# Altium PCB Fri3D_2020_01.PcbDoc (part 3 of 3)
Units mm, origin at the board's own origin, x right, y up, seen from the top; angles counter-clockwise.
Board outline 110 x 100 mm, 2 copper layers (Top Layer, Bottom Layer), stack 1.571 mm thick; 144 components, 114 nets, 669 pads, 306 vias.
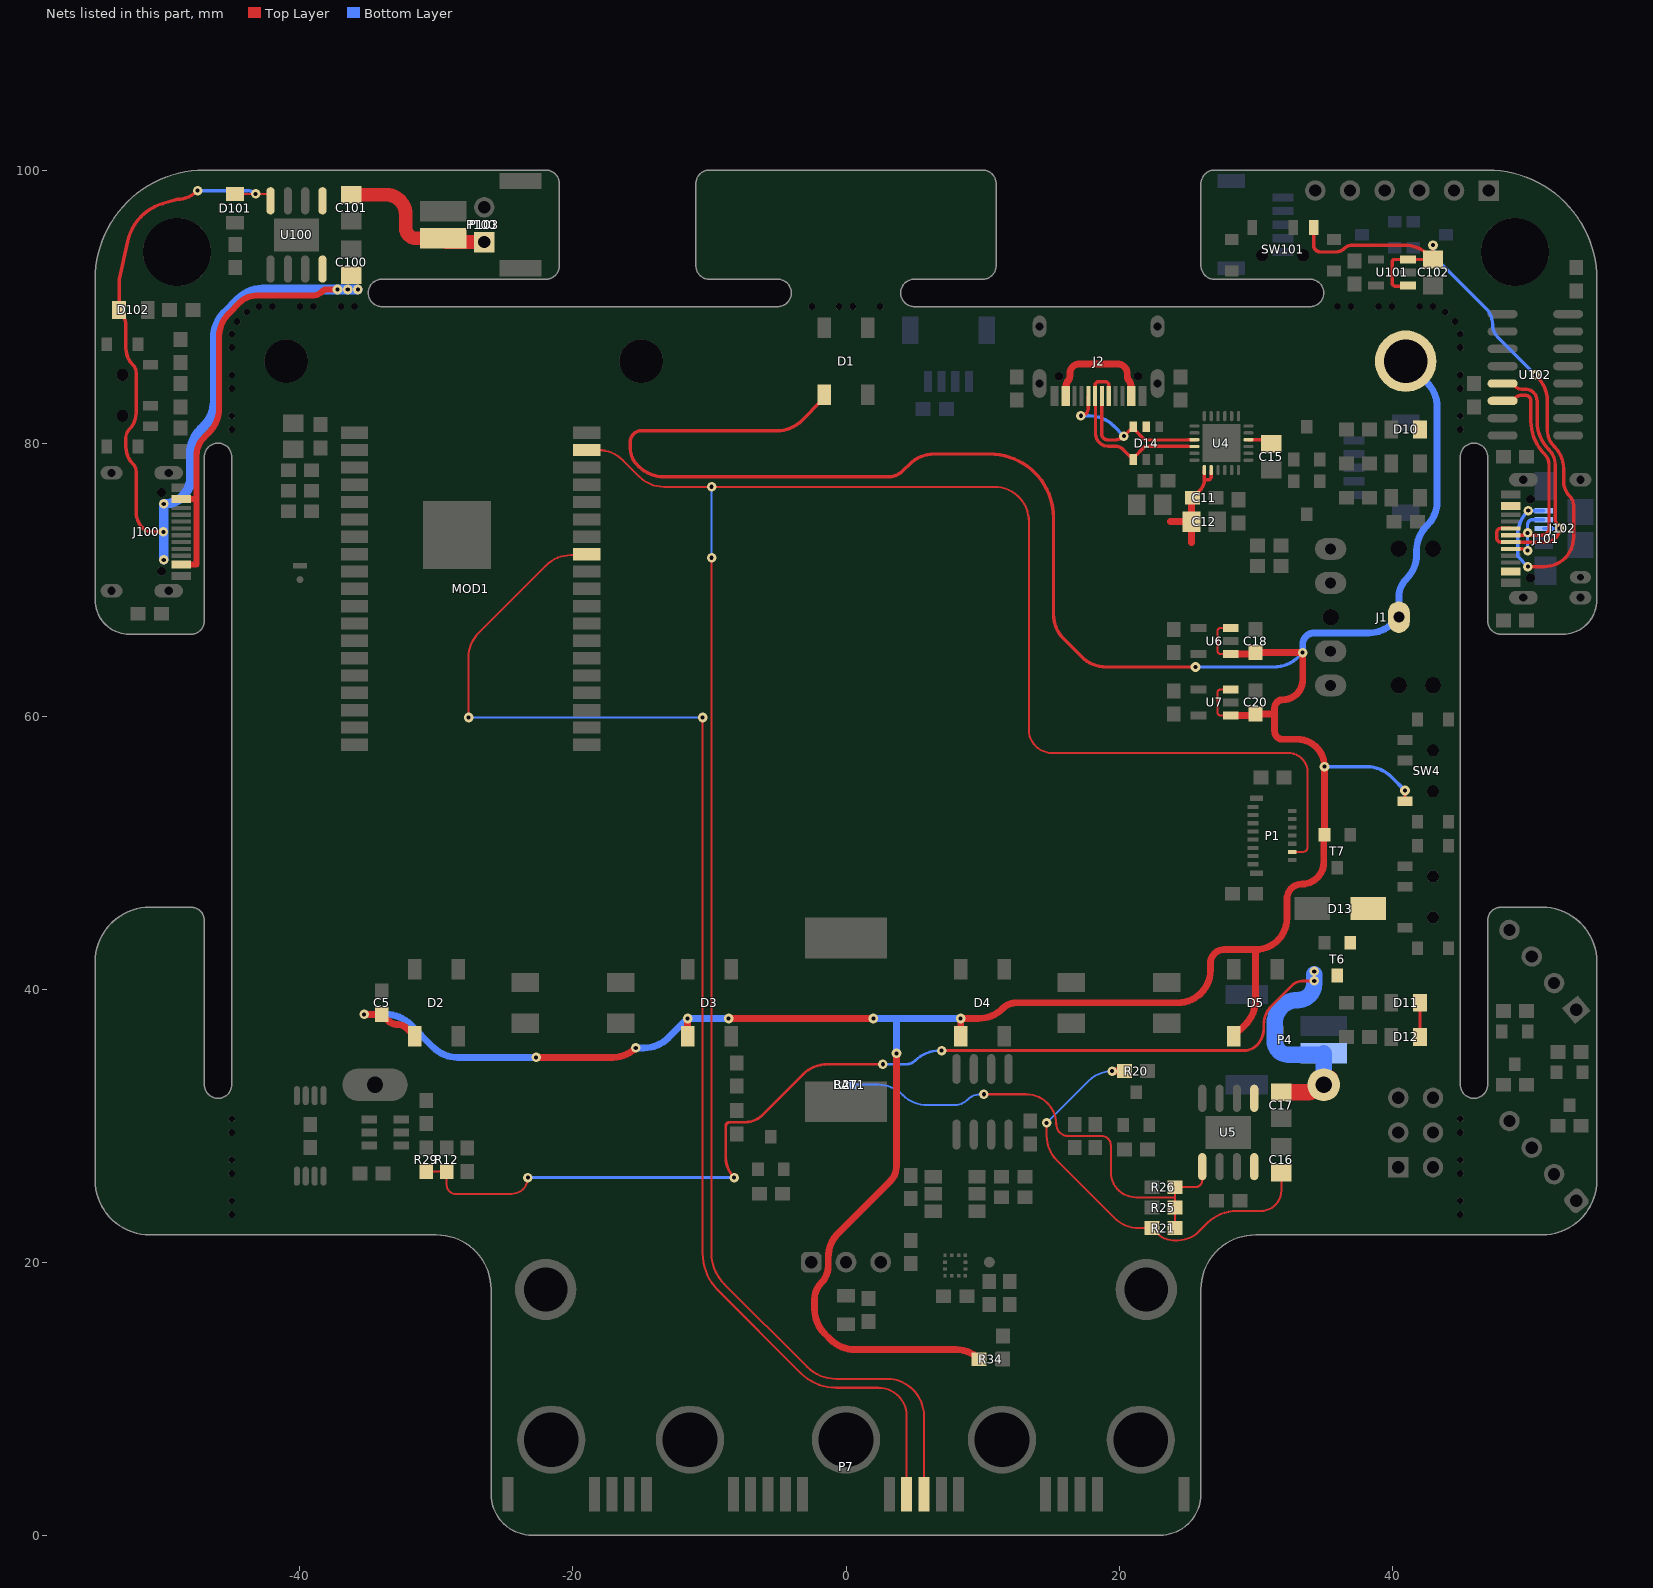
[diagram p3: the nets of this part, all layers, seen from the top]

## Via types
v1: diameter 0.7, hole 0.3, Top Layer to Bottom Layer, tented top, 306 vias

## Nets (pads, with @x,y where several pads share a name; then routed paths per layer and width w, separated by ;. In a path a pad name is that pad's centre, name@x,y a point inside that pad or via, vN(x,y) a via of type N, cw(c..) or ccw(c..) an arc to the next point about the centre after c; other vN are vias at no path point) (continued)
SPI.DI: MOD1.31 P7.15 | length 99.5
  Top Layer w0.15: v1(-27.65,59.9) -27.65,64.298 cw(c-25.11,64.298) -26.906,66.094 -21.951,71.049 cw(c-20.155,69.253) -20.155,71.793 -19.181,71.793 ccw(c-19.181,72.049) MOD1.31@-19,71.868 ; v1(-10.5,59.9) -10.5,20.652 ccw(c-6.66,20.652) -9.375,17.937 -3.307,11.868 -3.305,11.867 ccw(c-0.73,14.443) -0.73,10.8 2.373,10.8 cw(c2.373,8.728) 4.445,8.728 P7.15@4.445,3
  Bottom Layer w0.15: v1@-27.658,59.9 v1(-10.5,59.9)
SPI.DO: MOD1.37 P1.12 P7.16 | length 162.3
  Top Layer w0.15: MOD1.37@-19,79.488 -18.14,79.488 cw(c-18.14,76.948) -16.344,78.744 -15.144,77.544 ccw(c-13.348,79.34) -13.348,76.8 v1(-9.85,76.8) 10.86,76.8 cw(c10.86,74.26) 13.4,74.26 13.4,59 ccw(c15.1,59) 15.1,57.3 32.4,57.3 cw(c32.4,55.882) 33.818,55.882 33.818,50.4 cw(c33.468,50.4) 33.468,50.05 P1.12@32.688,50.05 ; v1(-9.85,71.6) -9.85,60.6 -9.85,20.652 ccw(c-6.66,20.652) -8.916,18.396 -2.847,12.328 -2.846,12.327 ccw(c-0.73,14.443) -0.73,11.45 2.993,11.45 cw(c2.993,8.728) 5.715,8.728 P7.16@5.715,3
  Bottom Layer w0.15: v1(-9.85,71.6) v1(-9.85,76.8)
TEMP: R21.2 R25.1 R26.1 R27.1 U5.1 | length 35.6
  Top Layer w0.15: v1(10.1,32.3) 13.2,32.3 cw(c13.2,30.1) 15.4,30.1 ccw(c16.25,30.1) 16.25,29.25 18.7,29.25 cw(c18.7,28.55) 19.4,28.55 19.4,26.6 ccw(c21.25,26.6) 21.25,24.75 24.1,24.75 ; R21.2@24.1,22.5 R25.1@24.1,24 24.1,24.75 ; U5.1@26.095,27 26.095,25.995 cw(c25.6,25.995) 25.6,25.5 R26.1@24.1,25.5 24.1,24.75
  Bottom Layer w0.15: R27.1@0.5,33 2.348,33 cw(c2.348,30.46) 4.144,32.256 4.156,32.244 ccw(c5.952,34.04) 5.952,31.5 7.934,31.5 ccw(c7.934,32.866) 8.9,31.9 cw(c9.866,30.934) 9.866,32.3 v1(10.1,32.3)
USB3.D_n: J101.A7 J101.B7 J102.2 U102.6 | length 19.9
  Top Layer w0.25: U102.6@48.1,83.095 48.522,83.095 ccw(c48.522,83.795) 49.016,83.3 cw(c49.511,82.805) 49.511,83.505 49.75,83.505 cw(c49.75,83.08) 50.175,83.08 50.175,81.611 ccw(c53.609,81.611) 51.181,79.183 51.182,79.182 cw(c50.414,78.414) 51.5,78.414 51.5,73.75 cw(c51,73.75) 51,73.25 50.347,73.25 cw(c50.347,73.847) v1(49.925,73.425) cw(c49.503,73.847) 49.503,73.25 J101.A7@48.702,73.25 ; J101.B7@48.702,72.25 49.501,72.25 cw(c49.501,71.823) 49.645,72.225 cw(c49.501,71.823) 49.803,72.125 v1(49.925,72.125)
  Bottom Layer w0.25: v1(49.925,72.125) v1(49.925,73.425) 49.925,74.025 cw(c50.295,74.025) 50.295,74.395 J102.2@51.122,74.395
USB3.D_p: J101.A6 J101.B6 J102.3 U102.5 | length 21
  Top Layer w0.25: U102.5@48.1,84.365 48.522,84.365 cw(c48.522,83.665) 49.016,84.16 ccw(c49.511,84.655) 49.511,83.955 49.75,83.955 cw(c49.75,83.08) 50.625,83.08 50.625,81.612 ccw(c53.612,81.612) 51.5,79.5 51.502,79.498 cw(c50.421,78.417) 51.95,78.417 51.95,74.535 ccw(c53.06,74.535) v1(52.275,73.75) cw(c51.275,73.75) 51.275,72.75 J101.A6@48.702,72.75 47.955,72.75 cw(c47.955,73.025) 47.68,73.025 47.68,73.475 cw(c47.955,73.475) 47.955,73.75 J101.B6@48.702,73.75
  Bottom Layer w0.25: J102.3@51.122,73.745 52.275,73.745 v1(52.275,73.75)
USB.D_n: D14.1 J2.A7 J2.B7 U4.4 | length 14.3
  Top Layer w0.25: J2.B7@19.25,83.453 19.25,84.25 ccw(c19,84.25) 19,84.5 18.5,84.5 ccw(c18.5,84.25) 18.25,84.25 J2.A7@18.25,83.453 18.275,83.453 18.275,80.7 ccw(c19.2,80.7) 19.2,79.775 19.674,79.775 cw(c19.674,78.806) 20.359,79.491 D14.1@21.05,78.8 cw(c21.352,78.8) 21.138,79.013 21.829,79.704 cw(c22,79.534) 22,79.775 25.025,79.775 cw(c25.025,79.732) 25.055,79.763 ccw(c25.086,79.793) 25.086,79.75 U4.4@25.525,79.75
USB.D_p: D14.6 J2.A6 J2.B6 U4.3 | length 16.1
  Top Layer w0.25: v1(17.2,82) ccw(c17.2,82.55) 17.75,82.55 J2.B6@17.75,83.453 ; J2.A6@18.75,83.453 18.725,83.453 18.725,80.7 ccw(c19.2,80.7) 19.2,80.225 19.674,80.225 ccw(c19.674,81.194) v1(20.359,80.509) D14.6@21.05,81.2 ccw(c21.352,81.2) 21.138,80.987 21.829,80.296 ccw(c22,80.466) 22,80.225 25.025,80.225 ccw(c25.025,80.268) 25.055,80.238 cw(c25.086,80.207) 25.086,80.25 U4.3@25.525,80.25
  Bottom Layer w0.25: v1(17.2,82) 17.815,82 cw(c17.815,79.46) 19.611,81.256 v1(20.359,80.509)
VBAT: BAT1.1 C17.1 P4.1 R12.1 R29.1 T6.3 U5.5 | length 93.5
  Top Layer w0.15: R29.1@-30.75,26.65 R12.1@-29.25,26.65 -29.25,25.65 ccw(c-28.6,25.65) -28.6,25 -24.5,25 ccw(c-24.5,26.2) v1(-23.3,26.2)
  Top Layer w0.2: v1(-8.2,26.2) cw(c-6.751,27.649) -8.8,27.649 -8.8,30 cw(c-8.55,30) -8.55,30.25 -7.4,30.25 ccw(c-7.4,32.061) -6.12,30.78 -3.144,33.756 cw(c-1.348,31.96) -1.348,34.5 v1(2.7,34.5) ; v1(7,35.5) 29.134,35.5 ccw(c29.134,36.866) 30.1,35.9 ccw(c28.893,37.107) 30.6,37.107 30.6,37.4 cw(c32.531,37.4) 31.166,38.766 32.7,40.3 cw(c33.424,39.576) 33.424,40.6 v1(34.3,40.6)
  Top Layer w1.2: C17.1@31.888,32.449 33.669,32.449 ccw(c33.669,34.331) BAT1.1@35,33 BAT1.1@35.456,33.456
  Bottom Layer w0.2: v1(-23.3,26.2) v1(-8.2,26.2) ; v1(2.7,34.5) 4.438,34.5 ccw(c4.438,35.374) 5.056,34.756 cw(c6.852,32.96) 6.852,35.5 v1(7,35.5)
  Bottom Layer w1.2: v1@34.3,41.1 v1(34.3,40.6) 34.3,40.4 cw(c33.1,40.4) 33.1,39.2 ccw(c33.1,37.5) 31.4,37.5 31.4,36.2 ccw(c32.4,36.2) 32.4,35.2 34.9,35.2 P4.1@35,35.3 BAT1.1@35,33
  other v1: 34.3,41.3
VBAT2: C101.1 P100.1 P103.1 U100.5 | length 12.2
  Top Layer w1: C101.1@-36.25,98.2 -33.7,98.2 cw(c-33.7,96.75) -32.25,96.75 -32.25,95.75 ccw(c-31.5,95.75) -31.5,95 P100.1@-29.5,95 ccw(c-29.23,95) -29.23,94.73 P103.1@-26.5,94.73
Vpp: C15.2 U4.16 | length 2
  Top Layer w0.25: U4.16@29.475,80.25 31.15,80.25 C15.2@31.15,79.95
VSYS: C5.1 C18.1 C20.1 D1.1 D2.1 D3.1 D4.1 D5.1 J1.1 pad.0@41,86 R34.2 SW4.1 T7.2 U6.1 U6.3 U7.1 U7.3 | length 280.7
  Top Layer w0.15: U7.1@28.175,60.05 27.45,60.05 cw(c27.45,60.3) 27.2,60.3 27.2,61.7 cw(c27.45,61.7) 27.45,61.95 U7.3@28.175,61.95 ; U6.1@28.175,64.55 27.45,64.55 cw(c27.45,64.8) 27.2,64.8 27.2,66.2 cw(c27.45,66.2) 27.45,66.45 U6.3@28.175,66.45
  Top Layer w0.25: -13.32,77.525 cw(c-13.3,80.231) -15.176,78.281 -15.3,78.4 cw(c-14.093,79.607) -15.8,79.607 -15.8,80.1 cw(c-15,80.1) -15,80.9 -5.052,80.9 ccw(c-5.052,83.44) -3.256,81.644 -1.777,83.123 ccw(c-2.204,83.55) D1.1@-1.6,83.55 ; -13.304,77.525 cw(c-13.3,80.231) -13.32,77.525 ; -13.3,77.525 cw(c-13.3,80.231) -13.32,77.525 ; v1(25.6,63.6) 19.052,63.6 cw(c19.052,66.14) 17.256,64.344 15.944,65.656 cw(c17.74,67.452) 15.2,67.452 15.2,74.529 ccw(c10.529,74.529) 10.529,79.2 6.452,79.2 ccw(c6.452,76.66) 4.656,78.456 4.2,78 cw(c3.053,79.147) 3.053,77.525 -13.32,77.525 ; SW4.1@40.95,53.75 v1(40.95,54.55)
  Top Layer w0.5: v1(-35.3,38.15) C5.1@-34,38.15 -33.568,37.718 ccw(c-32.8,38.486) -32.8,37.4 cw(c-32.8,36.555) -32.203,37.153 D2.1@-31.6,36.55 ; v1(-22.7,35) -17.09,35 ccw(c-17.09,37.39) v1(-15.4,35.7) ; D3.1@-11.6,36.55 v1(-11.6,37.85) ; v1(-8.6,37.85) v1(2,37.85) ; v1(3.7,35.3) 3.7,27.036 cw(c2.164,27.036) 3.25,25.95 -0.556,22.144 ccw(c1.24,20.348) -1.3,20.348 -1.3,19.707 cw(c-3.007,19.707) -1.8,18.5 ccw(c-0.593,17.293) -2.3,17.293 -2.3,16.552 ccw(c0.24,16.552) -1.556,14.756 -1.144,14.344 ccw(c0.652,16.14) 0.652,13.6 8.06,13.6 cw(c8.06,11.21) R34.2@9.75,12.9 ; D4.1@8.4,36.55 v1(8.4,37.85) 9.698,37.85 ccw(c9.698,40.39) 11.494,38.594 11.5,38.6 cw(c12.466,37.634) 12.466,39 24.3,39 ccw(c24.3,41.4) 26.7,41.4 26.7,41.8 ; 26.7,41.9 cw(c27.7,41.9) 27.7,42.9 30,42.9 ; U7.1@28.175,60.05 29.759,60.05 ccw(c29.759,60.391) C20.1@30,60.15 31.4,60.15 ; U6.1@28.175,64.55 30,64.55 C18.1@30,64.65 v1(33.453,64.65) 33.453,62.653 cw(c32,62.653) 32,61.2 ccw(c32,60.6) 31.4,60.6 31.4,60.15 ; D5.1@28.4,36.55 29.256,37.406 ccw(c27.46,39.202) 30,39.202 30,42.9 ; 33.098,58.3 33.05,58.3 ; 30,42.9 ccw(c30,45.2) 32.3,45.2 32.3,46.6 cw(c33.4,46.6) 33.4,47.7 ccw(c33.4,49.3) 35,49.3 35,51.25 cw(c35.05,51.25) T7.2@35.05,51.3 v1(35.05,56.3) ccw(c33.05,56.3) 33.05,58.3 ; 31.4,60.15 31.4,58.9 ccw(c32,58.9) 32,58.3 33.05,58.3
  Bottom Layer w0.25: v1(25.6,63.6) 31.351,63.6 ccw(c31.351,66.14) 33.147,64.344 v1(33.453,64.65) ; v1(35.05,56.3) 38.148,56.3 cw(c38.148,53.76) 39.944,55.556 v1(40.95,54.55)
  Bottom Layer w0.5: v1(-35.3,38.15) -33.702,38.15 cw(c-33.702,35.61) -31.906,37.406 -30.244,35.744 ccw(c-28.448,37.54) -28.448,35 v1(-22.7,35) ; v1@-15.3,35.7 -14.802,35.7 ccw(c-14.802,38.24) -13.006,36.444 v1(-11.6,37.85) v1(-8.6,37.85) ; v1(2,37.85) 3.7,37.85 ; v1(3.7,35.3) 3.7,37.85 ; v1(8.4,37.85) 3.7,37.85 ; v1(33.453,64.65) 33.453,65.253 cw(c34.3,65.253) 34.3,66.1 38.298,66.1 ccw(c38.298,68.64) 40.094,66.844 J1.1@40.5,67.25 40.5,68.714 cw(c42.398,68.714) 41.056,70.056 ccw(c39.26,71.852) 41.8,71.852 41.8,72.148 cw(c44.34,72.148) 42.544,73.944 42.6,74 ccw(c40.91,75.69) 43.3,75.69 43.3,82.648 ccw(c40.76,82.648) 42.556,84.444 pad.0@41,86
VUSB: C11.1 C12.2 C16.1 D10.1 D11.1 D12.1 D13.A D14.5 J2.A4 J2.A9 J2.B4 J2.B9 R20.1 R21.1 T6.1 U4.7 U4.8 U5.4 | length 49.4
  Top Layer w0.15: v1(14.7,30.2) 14.7,29.252 ccw(c17.24,29.252) 15.444,27.456 19.656,23.244 ccw(c21.452,25.04) 21.452,22.5 R21.1@22.4,22.5 22.805,22.095 ccw(c24,23.29) 24,21.6 24.326,21.6 ccw(c24.327,23.716) 25.823,22.22 26.47,22.866 cw(c28.603,20.733) 28.603,23.75 30.396,23.75 ccw(c30.396,25.242) 31.888,25.242 C16.1@31.888,26.549
  Top Layer w0.25: C11.1@25.4,76 25.932,76.532 ccw(c25.164,77.3) 26.25,77.3 ; U4.7@26.25,78.025 26.25,77.3 ; U4.8@26.75,78.025 26.75,77.55 cw(c26.5,77.55) 26.5,77.3 26.25,77.3 ; D12.1@42.05,36.5 D11.1@42.05,39
  Top Layer w0.5: 16.1,84.2 16.162,84.386 cw(c16.636,84.229) 16.217,84.502 ccw(c15.61,84.898) 16.234,84.53 ; 16.241,84.541 16.234,84.53 ; v1(19.5,34) R20.1@20.4,34 ; 20.9,84.2 20.838,84.386 ccw(c20.364,84.229) 20.783,84.502 cw(c21.39,84.898) 20.766,84.53 20.759,84.541 cw(c21.141,84.924) 20.6,84.924 20.6,85.1 ccw(c19.9,85.1) 19.9,85.8 17.1,85.8 ccw(c17.1,85.1) 16.4,85.1 16.4,84.929 cw(c15.835,84.929) 16.234,84.53 ; 23.75,74.25 C12.2@25.3,74.25 ; 25.3,72.7 C12.2@25.3,74.25 ; C11.1@25.4,76 ccw(c25.641,75.759) 25.3,75.759 C12.2@25.3,74.25
  Bottom Layer w0.15: v1(14.7,30.2) 17.793,33.293 cw(c19.5,31.586) v1(19.5,34)
VUSB2: C100.1 D101.1 D102.1 J100.A4 J100.A9 J100.B4 J100.B9 U100.4 U100.8 | length 98.6
  Top Layer w0.15: D101.1@-44.75,98.25 -42.363,98.25 -42.155,98.042 U100.8@-42.155,97.75
  Top Layer w0.25: v1(-50,73.5) -50.896,73.5 cw(c-50.896,74.354) -51.5,73.75 cw(c-50.293,74.957) -52,74.957 -52,77.896 ccw(c-52.854,77.896) -52.25,78.5 cw(c-51.043,79.707) -52.75,79.707 -52.75,80.396 cw(c-51.896,80.396) -52.5,81 ccw(c-53.707,82.207) -52,82.207 -52,85.146 ccw(c-52.854,85.146) -52.25,85.75 cw(c-51.043,86.957) -52.75,86.957 -52.75,88.543 ccw(c-54.457,88.543) D102.1@-53.25,89.75 -53.25,91.939 cw(c-53,91.939) -53.244,91.994 -52.612,94.81 cw(c-49,94) -50.063,97.546 -49.101,97.835 cw(c-49,97.5) -49,97.85 ccw(c-49,99.902) -47.549,98.451 v1(-47.5,98.5)
  Top Layer w0.45: J100.B4@-49.16,71.113 -47.575,71.113 -47.575,75.9 ; J100.A4@-49.13,75.9 -47.575,75.9 ; v1(-37.25,91.25) -38.048,91.25 ccw(c-38.048,90.823) -38.35,91.125 cw(c-39.135,91.91) -39.135,90.8 -43.25,90.8 ccw(c-43.25,89.231) -44.36,90.34 -45.25,89.45 ccw(c-43.62,87.82) -45.925,87.82 -45.925,82.552 cw(c-48.465,82.552) -46.669,80.756 -47.05,80.375 ccw(c-45.783,79.108) -47.575,79.108 -47.575,75.9
  Bottom Layer w0.25: v1(-47.5,98.5) -43.854,98.5 cw(c-43.854,97.646) v1(-43.25,98.25)
  Bottom Layer w0.7: v1(-49.975,71.45) v1(-49.975,75.55) -49.95,75.55 ccw(c-49.95,77.5) -48,77.5 -48,79.198 cw(c-45.46,79.198) -47.256,80.994 -46.994,81.256 ccw(c-48.79,83.052) -46.25,83.052 -46.25,87.698 cw(c-43.71,87.698) -45.506,89.494 -44.457,90.543 cw(c-42.75,88.836) -42.75,91.25 v1(-37.25,91.25) v1(-36.5,91.25) v1(-35.75,91.25)
VUSB3: C102.1 J101.A4 J101.A9 J101.B4 J101.B9 J102.1 SW101.3 U101.1 U101.3 | length 53.2
  Top Layer w0.25: SW101.3@34.25,95.8 34.25,94.5 ccw(c34.75,94.5) 34.75,94 35.896,94 ccw(c35.896,94.854) 36.5,94.25 cw(c37.104,93.646) 37.104,94.5 40.898,94.5 cw(c40.898,91.96) 42.694,93.756 C102.1@43,93.45 ; U101.1@41.175,91.55 cw(c41.125,91.55) 41.125,91.5 40.25,91.5 cw(c40.25,91.75) 40,91.75 40,93.25 cw(c40.2,93.25) 40.2,93.45 U101.3@41.175,93.45 C102.1@43,93.45 ; v1(43,94.5) C102.1@43,93.45 ; v1@49.948,70.95 51.15,70.95 ccw(c51.15,73.1) 53.3,73.1 53.3,75.436 ccw(c52.361,75.436) 53.025,76.1 cw(c54.111,77.186) 52.575,77.186 52.575,78.095 ccw(c50.27,78.095) 51.9,79.725 51.87,79.755 cw(c53.065,80.95) 51.375,80.95 51.375,83.073 ccw(c48.835,83.073) 50.631,84.869 v1(50.5,85)
  Bottom Layer w0.25: v1(43,94.5) ccw(c44.811,94.5) 43.53,93.22 46.861,89.889 cw(c45.62,88.648) 47.375,88.648 ccw(c48.637,88.648) 47.745,87.755 48.468,87.032 ; v1@49.948,70.95 49.2,71.698 49.2,73.223 cw(c51.74,73.223) 49.944,75.019 v1(49.975,75.05) 49.98,75.045 J102.1@51.122,75.045 ; v1(50.5,85) 48.47,87.03 ; 48.468,87.032 ccw(c50.088,88.648) 48.47,87.03 ; 48.468,87.032 48.47,87.03
  other v1: 49.946,70.95
pads on no net: D14.3 D14.4 J1.0 J2.0 J2.A8 J2.B8 J100.0 J100.A6 J100.A7 J100.A8 J100.B6 J100.B7 J100.B8 J101.0 J101.A8 J101.B8 J102.4 MOD1.32 P1.13 P1.MH1 P1.MH2 P2.Z1 P2.Z2 P3.Z1 P3.Z2 P4.M1 P4.M2 P100.M1 P100.M2 P101.Z1 P101.Z2 SW1.3 SW1.M1 SW1.M2 SW1.M3 SW1.M4 SW1.M5 SW1.M6 SW4.M1 SW4.M2 SW4.M3 SW4.M4 SW4.M5 SW4.M6 SW100.M1 SW100.M2 SW100.M3 SW100.M4 SW100.M5 SW100.M6 SW101.M1 SW101.M2 SW101.M3 SW101.M4 SW101.M5 SW101.M6 T5.1 T5.8 U2.1 U2.2 U2.3 U2.7 U3.6 U4.1 U4.10 U4.11 U4.12 U4.13 U4.14 U4.15 U4.17 U4.18 U4.22 U4.24 U6.4 U7.4 U8.4 U101.4 U102.7 U102.8 U102.10 U102.11 U102.12 U102.15

## Polygon pours and split planes (outlines as drawn)
GND on Bottom Layer "NONET_L-01_P-001" (solid, remove dead copper, pour order 1): -45,90 -45,0 45,0 45,90
GND2 on Bottom Layer "NONET_L-01_P-001" (solid, remove dead copper, pour order 13): -21,100 -21,92 -34,92 ccw(c-34,91) -35,91 -35,90 -43.5,90 ccw(c-43.5,89.6) -43.9,89.6 ccw(c-43.9,88.9) -44.6,88.9 ccw(c-44.6,88.5) -45,88.5 -45,80 -46,80 ccw(c-46,79) -47,79 -47,67 cw(c-48,67) -48,66 -52.46,66 cw(c-52.46,68.54) -55,68.54 -55,97.46 cw(c-52.46,97.46) -52.46,100
GND3 on Bottom Layer "NONET_L-01_P-001" (solid, remove dead copper, pour order 12): 26,99.25 cw(c26.75,99.25) 26.75,100 52.46,100 cw(c52.46,97.46) 55,97.46 55,68.54 cw(c52.46,68.54) 52.46,66 47.75,66 cw(c47.75,66.75) 47,66.75 47,79 ccw(c46,79) 46,80 45,80 45,87.46 ccw(c42.46,87.46) 42.46,90 35,90 35,91 ccw(c34,91) 34,92 27,92 cw(c27,93) 26,93
LVL.G on Bottom Layer "NONET_L-01_P-001" (hatched 45Degree grid 0.6 track 0.2, pour order 11): 45,46 52.46,46 cw(c52.46,43.46) 55,43.46 55,24.54 cw(c52.46,24.54) 52.46,22 45,22
no net on Bottom Layer "NONET_L-01_P-001" (hatched 45Degree grid 0.6 track 0.2, pour order 16): -45.25,22 -45.25,46 -52.46,46 ccw(c-52.46,43.46) -55,43.46 -55,24.54 ccw(c-52.46,24.54) -52.46,22
GND2 on Top Layer "NONET_L-01_P-001" (solid, remove dead copper, pour order 14): -21,100 -21,92 -34,92 ccw(c-34,91) -35,91 -35,90 -43.5,90 ccw(c-43.5,89.6) -43.9,89.6 ccw(c-43.9,88.9) -44.6,88.9 ccw(c-44.6,88.5) -45,88.5 -45,80 -46,80 ccw(c-46,79) -47,79 -47,67 cw(c-48,67) -48,66 -52.46,66 cw(c-52.46,68.54) -55,68.54 -55,97.46 cw(c-52.46,97.46) -52.46,100
VUSB on Top Layer "Top Layer-VUSB" (solid, remove dead copper, pour order 10): 15.5,80.707 ccw(c17.207,80.707) 16,79.5 16.756,78.744 cw(c14.96,76.948) 17.5,76.948 17.5,73.54 ccw(c20.04,73.54) 20.04,71 26,71 ccw(c26,72.5) 27.5,72.5 27.5,76 42,76 42,75.5 cw(c40.5,75.5) 40.5,74 38,74 38,70 cw(c36.5,70) 36.5,68.5 36,68.5 ccw(c36,67) 34.5,67 34.5,28.5 29.5,28.5 29.5,22 34.5,22 45,22 45,90 17.5,90 15.5,90 15.5,86.25
no net on Top Layer "NONET_L-01_P-001" (hatched 45Degree grid 0.6 track 0.2, pour order 15): -45.25,22 -45.25,46 -52.46,46 ccw(c-52.46,43.46) -55,43.46 -55,24.54 ccw(c-52.46,24.54) -52.46,22

## Keep-outs
Top Layer:
  lines w0.5: -45,22 -45,33 ; -45,79 -45,88.5 -43.5,90 -34,90 ; -5.5,90 5.5,90 ; 34,90 43.5,90 45,88.5 45,79 ; 45,22 45,33
Bottom Layer:
  region: -21.59,10 ccw(c-21.59,7) -24.59,7 -24.59,0 -18.59,0 -18.59,7 ccw(c-21.59,7)
  region: -11.43,10 ccw(c-11.43,7) -14.43,7 -14.43,0 -8.43,0 -8.43,7 ccw(c-11.43,7)
  region: 11.43,10 ccw(c11.43,7) 8.43,7 8.43,0 14.43,0 14.43,7 ccw(c11.43,7)
  region: 0,10 ccw(c0,7) -3,7 -3,0 3,0 3,7 ccw(c0,7)
  lines w0.5: -45,22 -45,33 ; -45,79 -45,88.5 -43.5,90 -34,90 ; -5.5,90 5.5,90 ; 34,90 43.5,90 45,88.5 45,79 ; 45,22 45,33
Keep-Out Layer:
  circle w0.254: c-49,94 r3
  circle w0.254: c49,94 r3
  region: -14.04,81.9 -8.24,81.9 ccw(c-8.24,84.44) -5.7,84.44 -5.7,90 -14.1,90
  region: -14.04,81.9 ccw(c-14.04,84.44) -11.5,84.44 -11.5,90 -41,90 ccw(c-41,86) -45,86 -45,82.5 -37.5,82.5 -37,82 ccw(c-36.759,82.241) -36.759,81.9
  text ".Layer_Name" at 236.902,-46.311 h3.5

## Other copper
Top Layer:
  region net VUSB2: -50,71.8 cw(c-50,71.5) -49.7,71.5 -49.7,71.4 -48,71.4 -48,70.8 -49.6,70.8 ccw(c-49.9,70.8) -49.9,71.1 -49.975,71.1 cw(c-49.975,71.425) -50.3,71.425 -50.3,71.475 cw(c-49.975,71.475) -49.975,71.8
  region net VUSB2: -50,75.2 ccw(c-50,75.5) -49.7,75.5 -49.7,75.6 -48,75.6 -48,76.2 -49.6,76.2 cw(c-49.9,76.2) -49.9,75.9 -49.975,75.9 ccw(c-49.975,75.575) -50.3,75.575 -50.3,75.525 ccw(c-49.975,75.525) -49.975,75.2
  region net VUSB3: 50,74.7 cw(c50,75) 49.7,75 49.7,75.1 48,75.1 48,75.7 49.6,75.7 ccw(c49.9,75.7) 49.9,75.4 49.975,75.4 cw(c49.975,75.075) 50.3,75.075 50.3,75.025 cw(c49.975,75.025) 49.975,74.7
  region net VUSB3: 50,71.3 ccw(c50,71) 49.7,71 49.7,70.9 48,70.9 48,70.3 49.6,70.3 cw(c49.9,70.3) 49.9,70.6 49.975,70.6 ccw(c49.975,70.925) 50.3,70.925 50.3,70.975 ccw(c49.975,70.975) 49.975,71.3
  region net VBAT2: -38.35,96.75 cw(c-38.35,97.025) -38.625,97.025 -38.625,99.6 -35.75,99.6 cw(c-35.75,99.25) -35.4,99.25 -35.4,97.525 -37.075,97.525 ccw(c-37.075,97.05) -37.55,97.05 cw(c-37.85,97.05) -37.85,96.75
  region net GND2: -36.354,96.5 ccw(c-36.354,97.354) -35.75,96.75 cw(c-35.146,96.146) -35.146,97 -34.5,97 cw(c-34.5,96.396) -34.073,96.823 -33.75,96.5 cw(c-34.354,95.896) -33.5,95.896 -33.5,93.25 -34.073,92.677 cw(c-34.5,93.104) -34.5,92.5 cw(c-34.5,92.56) -34.543,92.518 -35.366,93.341 ccw(c-35.75,92.957) -35.75,93.5 -37,93.5 -37,94 -42.646,94 cw(c-42.646,94.854) -43.25,94.25 -43.323,94.323 cw(c-42.896,94.75) -43.5,94.75 -43.5,95.646 cw(c-42.646,95.646) -43.25,96.25 cw(c-42.646,95.646) -42.646,96.5
  region net VUSB2: -38.35,93.75 ccw(c-38.35,93.475) -38.625,93.475 -38.625,90.9 -35.75,90.9 ccw(c-35.75,91.25) -35.4,91.25 -35.4,92.975 -37.075,92.975 cw(c-37.075,93.45) -37.55,93.45 ccw(c-37.85,93.45) -37.85,93.75
  region net GND2: -47.95,76.4 -47.95,76.834 ccw(c-49.316,76.834) -48.35,77.8 -48.709,78.159 ccw(c-49.05,77.817) -49.05,78.3 -50.15,78.3 ccw(c-50.15,77.8) -50.65,77.8 ccw(c-50.15,77.8) -50.15,77.3 -49.85,77.3 cw(c-49.85,76.9) -49.45,76.9 -49.45,76.4
  region net GND2: -47.95,70.6 -47.95,70.166 cw(c-49.316,70.166) -48.35,69.2 -48.709,68.841 cw(c-49.05,69.183) -49.05,68.7 -50.15,68.7 cw(c-50.15,69.2) -50.65,69.2 cw(c-50.15,69.2) -50.15,69.7 -49.85,69.7 ccw(c-49.85,70.1) -49.45,70.1 -49.45,70.6
  region net GND3: 47.98,75.9 cw(c50.467,75.9) 48.709,77.659 cw(c49.05,77.317) 49.05,77.8 50.15,77.8 cw(c50.15,77.3) 50.65,77.3 cw(c50.15,77.3) 50.15,76.8 49.85,76.8 ccw(c49.85,76.4) 49.45,76.4 49.45,75.9
  region net GND3: 47.95,70.1 47.95,69.666 ccw(c49.316,69.666) 48.35,68.7 48.709,68.341 ccw(c49.05,68.683) 49.05,68.2 50.15,68.2 ccw(c50.15,68.7) 50.65,68.7 ccw(c50.15,68.7) 50.15,69.2 49.85,69.2 cw(c49.85,69.6) 49.45,69.6 49.45,70.1
  region net VUSB: 29.9,28 cw(c29.9,27.219) 30.452,27.771 30.538,27.685 ccw(c30.891,28.038) 30.891,27.539 32.285,27.539 cw(c32.285,26.32) 33.147,27.182 33.15,27.179 33.15,25.55 29.5,25.55 29.5,27.6 cw(c29.9,27.6)
  region net GND: 21.4,82.7 21.834,82.7 ccw(c21.834,84.066) 22.8,83.1 23.159,83.459 ccw(c22.817,83.8) 23.3,83.8 23.3,84.9 ccw(c22.8,84.9) 22.8,85.4 ccw(c22.8,84.9) 22.3,84.9 22.3,84.6 cw(c21.9,84.6) 21.9,84.2 21.4,84.2
  region net GND: 15.6,82.7 15.166,82.7 cw(c15.166,84.066) 14.2,83.1 13.841,83.459 cw(c14.183,83.8) 13.7,83.8 13.7,84.9 cw(c14.2,84.9) 14.2,85.4 cw(c14.2,84.9) 14.7,84.9 14.7,84.6 ccw(c15.1,84.6) 15.1,84.2 15.6,84.2
  region net VBAT: 34.3,41.7 36.3,41.7 cw(c36.3,41.4) 36.6,41.4 36.6,40.5 cw(c36.3,40.5) 36.3,40.2 34.3,40.2 cw(c34.3,40.6) 33.9,40.6 33.9,41.3 cw(c34.3,41.3)
  region net GND: -38.9,25.5 ccw(c-38.9,25.7) -38.7,25.7 -38.7,27.1 ccw(c-38.7,27.4) -38.4,27.4 -38.4,27.8 cw(c-38.2,27.8) -38.2,28 ccw(c-38.2,28.3) -37.9,28.3 -37.9,28.4 ccw(c-38.4,28.4) -38.4,28.9 -39.4,28.9 -39.4,25.5
  region net GND: -39.6,25.5 cw(c-39.6,25.7) -39.8,25.7 -39.8,27.1 cw(c-39.8,27.4) -40.1,27.4 -40.1,27.8 ccw(c-40.3,27.8) -40.3,28 cw(c-40.3,28.3) -40.6,28.3 -40.6,28.4 cw(c-40.1,28.4) -40.1,28.9 -39.1,28.9 -39.1,25.5
  region net GBAT: -39.8,29.5 -38.7,29.5 -38.7,32.7 cw(c-38.3,32.7) -38.3,33.1 -37.4,33.1 cw(c-37.4,32.8) -37.1,32.8 ccw(c-36,32.8) -36,31.7 -33.3,31.7 ccw(c-33.3,33) -32,33 ccw(c-33.3,33) -33.3,34.3 -38.6,34.3 ccw(c-38.6,33.1) -39.8,33.1
  region net VBAT: 29.615,31 29.615,32.75 cw(c30.115,32.75) 30.115,33.25 32.615,33.25 32.615,31.75 30.865,31.75 ccw(c30.865,31.25) 30.365,31.25 cw(c30.115,31.25) 30.115,31
  region net GND: 30.365,30.75 ccw(c30.365,31) 30.615,31 cw(c30.865,31) 30.865,31.25 35.8,31.25 35.8,27.75 30.865,27.75 cw(c30.865,28) 30.615,28 ccw(c30.365,28) 30.365,28.25 25.615,28.25 ccw(c25.615,28) 25.365,28 25.365,27 cw(c24.865,27) 24.865,26.5 23.615,26.5 cw(c23.615,27) 23.115,27 23.115,32 cw(c23.615,32) 23.615,32.5 24.865,32.5 cw(c24.865,32) 25.365,32 25.365,31 ccw(c25.615,31) 25.615,30.75
  region net GND: 35.8,27.75 35.8,27 33.865,27 cw(c33.865,27.75) 33.115,27.75
  pour cut-out: 40.4,80.4 41.6,79.2 41.6,76.5 39.3,78.8 37.231,78.8 35.9,80.131 35.9,80.4
  region net VUSB: 15.8,84.4 16.179,84.7 16.4,84.7 16.4,82.1 15.8,82.1
  region net VUSB: 20.6,84.674 20.855,84.674 21.2,84.4 21.2,82.3 21.1,82.2 20.7,82.2 20.6,82.3
  text ".Layer_Name" at 236.902,-46.311 h3.5
Bottom Layer:
  region net GND: 19.188,4 23.992,4 23.992,7.001 ccw(c21.59,6.859) 19.188,7.001
  region net NetP7_18: 9.028,4 13.832,4 13.832,7.001 ccw(c11.43,6.859) 9.028,7.001
  region net GND: 23.992,0.328 23.992,4.5 23.59,4.5 23.59,1.267 19.59,1.267 19.59,4.5 19.188,4.5 19.188,0.15 23,0.15 ccw(c23,3)
  region net ESP.IO13: -2.402,4 2.402,4 2.402,7.001 ccw(c0,6.859) -2.402,7.001
  region net ESP.IO14: -13.832,4 -9.028,4 -9.028,7.001 ccw(c-11.43,6.859) -13.832,7.001
  region net ESP.IO33: -23.992,0.328 -23.992,4.5 -23.59,4.5 -23.59,1.267 -19.59,1.267 -19.59,4.5 -19.188,4.5 -19.188,0.15 -23,0.15 cw(c-23,3)
  region net ESP.IO33: -23.992,4 -19.188,4 -19.188,7.001 ccw(c-21.59,6.859) -23.992,7.001
  pour cut-out: 19.59,4 19.59,3.91 19.59,1.267 23.59,1.267 23.59,4
  region net NetP7_18: 9.028,0.15 9.028,4 9.43,4 9.43,1.267 13.43,1.267 13.43,4 13.832,4 13.832,0.15
  region net ESP.IO13: -2.402,0.15 -2.402,4 -2,4 -2,1.267 2,1.267 2,4 2.402,4 2.402,0.15
  region net ESP.IO14: -13.832,0.15 -13.832,4 -13.43,4 -13.43,1.267 -9.43,1.267 -9.43,4 -9.028,4 -9.028,0.15
  region: 2137 vertices and 5 holes, not listed, extent -18.968,17.348 -8.571,20.223
  region: -3.677,15.018 -3.695,15.018 -3.695,15.001 -3.66,15.001 -3.66,15.018 -3.66,15.036 -3.677,15.036
  region: 570 vertices and 0 holes, not listed, extent -4.637,12.643 -3.544,15.512
  region: 380 vertices and 0 holes, not listed, extent -5.739,15.053 -3.677,16.512
  region: 638 vertices and 0 holes, not listed, extent -7.525,12.528 -4.24,14.913
  region: 460 vertices and 0 holes, not listed, extent -7.45,14.568 -5.647,16.57
  text "0" at -19.59,1.071 h2.3
  text "1" at -9.43,1.071 h2.3
  text "2" at 2,1.071 h2.3
  text "VCC" at 13.43,1.071 h2.3
  text "GND" at 23.59,1.071 h2.3
  text ".Layer_Name" at 236.902,-46.311 h3.5

## Silkscreen, mask and mechanical layers (free items; w line width, h text height)
Top Overlay:
  drawing of 138 lines, arcs and shapes, not listed
  text "+" at 43,79.758 h4
  text "R" at 43,77.715 h3
  text "T" at 43,75.215 h3
  text "+L 1 2 G" at 49.75,45.25 h2.5 r310
  text "10K" at 47.743,39.07 h0.8
  text "C" at 42.9,38.214 h3
  text "10K" at 51.75,36 h0.8
  text "S" at 43,35.714 h3
  text "BSS138" at 51.5,33 h0.8 r90
  text "10K" at 49,31.25 h0.8
  text "+H 1 2 G" at 46.7,28.9 h2.5 r310
  text "10K" at 52,28.25 h0.8
  text "X" at 9.5,20.9 h2
  text "Y" at 5.7,19.8 h2
  text "IO33" at -20.888,10.4 h2.5 r90
  text "IO14" at -10.728,10.4 h2.5 r90
  text "IO13" at 0.702,10.4 h2.5 r90
  text "GND" at 22.292,10.4 h2.5 r90
  text "IO34" at -24.163,6.8 h2 r90
  text "IO26" at -17.813,6.8 h2 r90
  text "IO17" at -16.543,6.8 h2 r90
  text "IO16" at -15.273,6.8 h2 r90
  text "IO15" at -14.003,6.8 h2 r90
  text "IO25" at -7.653,6.8 h2 r90
  text "IO00" at -6.383,6.8 h2 r90
  text "IO27" at -5.113,6.8 h2 r90
  text "IO32" at -3.843,6.8 h2 r90
  text "IO12" at -2.573,6.8 h2 r90
  text "SPI SCLK" at 3.777,6.8 h2 r90
  text "SPI MISO" at 5.047,6.8 h2 r90
  text "SPI MOSI" at 6.317,6.8 h2 r90
  text "IO04" at 7.587,6.8 h2 r90
  text "V+" at 8.857,6.8 h2 r90
  text "V+" at 15.207,6.8 h2 r90
  text "I2C SCL" at 16.477,6.8 h2 r90
  text "I2C SDA" at 17.747,6.8 h2 r90
  text "GND" at 19.017,6.8 h2 r90
  text "GND" at 25.367,6.8 h2 r90
  text ".Layer_Name" at 236.902,-46.311 h3.5
Bottom Overlay:
  drawing of 207 lines, arcs and shapes, not listed
  text "BATTERY" at -22,98.1 h2.8
  text "Naam :" at 10,97.75 h2.8
  text "C" at -43.7,97.7 h3
  text "Tx" at 39.225,97.375 h3 r40
  text "V" at 41.9,97.35 h3 r40
  text "Rx" at 36.775,97.275 h3 r40
  text "G" at 46.775,97.1 h3 r40
  text "GND" at -28.5,96.375 h2.8
  text "V+" at -28.5,93.835 h2.8
  text "S" at -52.7,88.7 h3
  text ".PCB_TITLE" at -13.385,88.367 h3 r10
  text "1A" at -51.877,85.764 h2.5
  text "Boot / Reset / TxD / RxD / GND" at 50.398,84.5 h2
  text "Rev. .PCB_Rev" at -24.485,84.367 h3 r10
  text "Current" at -45.9,82.8 h3
  text "0A25" at -48.832,79.614 h2.5
  text "USB UART" at 54.905,79.493 h3.5
  text "USB Interface" at 26,77.673 h3
  text "IR Ontvanger" at -26,77 h3
  text "Batterij Monitor" at 1.968,76.954 h3
  text "CP2104" at 26,75.728 h3
  text "GPIO27" at -26,75 h3
  text "GPIO35" at 2,75 h3
  text "Blaster" at 26,73.187 h3
  text "Drukknop" at 2,72.5 h3
  text "Batterij Lader" at -26,72 h3
  text "Lithium Charger" at -47.38,71.848 h2.5
  text "GPIO04" at 26,71.228 h3
  text "GPIO00" at 2,70.728 h3
  text "TP4056" at -26,70 h3
  text "ESP32" at 26,69 h3
  text "Encryptie chip" at 2,68 h3
  text "LCD" at -26,67.5 h3
  text "ATECC608A" at 2,66 h3
  text "4MB PSRAM / 16MB FLASH" at 26,65 h3
  text "ST7789V IPS LCD / 240x240 262k" at -26,63.688 h3
  text "Accelerometer" at 2,63.5 h3
  text "Power Switch" at 26,62.5 h3
  text "LIS2DH12 / 0x18 & GPIO36" at 2,59.798 h3
  text "Battrerij Bescherming" at -26,58.5 h3
  text "Backlight" at 26,58 h3
  text "Privacy" at 2,57 h3
  text "DW01-p" at -26,56.296 h3
  text "GPIO39" at 2,55 h3
  text "Zoemer" at 26,53 h3
  text "GPIO32" at 26,51 h3
  text "Temperatuur & Luchtvochtigheid" at 2,50 h3
  text "AHT10 - 0x38" at 2,48 h3
  text "WS2812 LED" at 26,48 h3
  text "GPIO02" at 26,46 h3
  text "LOW" at 53.6,40.3 h3 r310
  text "IO 1" at 49.375,33.25 h2.8 r270
  text "H VCC L" at 47.625,32.25 h2.8 r270
  text "IO2" at 51.125,31.5 h2.8 r270
  text "GND" at 52.875,30.25 h2.8 r270
  text "HIGH" at 50.1,24 h3 r310
  text "Wim" at -20.5,12.1 h2 r351
  text ".Layer_Name" at 236.902,-46.311 h3.5
Top Paste:
  text ".Layer_Name" at 236.902,-46.311 h3.5
Bottom Paste:
  text ".Layer_Name" at 236.902,-46.311 h3.5
Top Solder:
  region: 20.214,4.001
  text ".Layer_Name" at 236.902,-46.311 h3.5
Bottom Solder:
  rectangle: -23.68,1 -19.18,4.5
  rectangle: -13.52,1 -9.02,4.5
  rectangle: -2.09,1 2.41,4.5
  rectangle: 9.34,1 13.84,4.5
  rectangle: 19.5,1 24,4.5
  text ".Layer_Name" at 236.902,-46.311 h3.5
Drill Guide:
  text ".Layer_Name" at 236.902,-46.311 h3.5
3D Symbols:
  text ".Layer_Name" at 236.902,-46.311 h3.5
Route Tool Path:
  lines w0.1: -45,100 -45,110 ; 45,100 45,110
  lines w0.15: -48,46 -51,46 ccw(c-51,42) -55,42 -55,26 ccw(c-51,26) -51,22 -30,22 cw(c-30,18) -26,18 -26,3 ccw(c-23,3) -23,0 23,0 ccw(c23,3) 26,3 26,18 cw(c30,18) 30,22 51,22 ccw(c51,26) 55,26 55,42 ccw(c51,42) 51,46 48,46 ; -48,46.01 cw(c-48,45.01) -47,45.01 -47,33 ccw(c-46,33) -45,33 -45,79 ccw(c-46,79) -47,79 -47,66.99 cw(c-48,66.99) -48,65.99 ; -48,66 -52.5,66 cw(c-52.5,68.5) -55,68.5 -55,92 cw(c-47,92) -47,100 -22,100 cw(c-22,99) -21,99 -21,93 cw(c-22,93) -22,92 -34,92 ccw(c-34,91) -34,90 ; -45,110 45,110 ; -5,90 ccw(c-5,91) -5,92 -10,92 cw(c-10,93) -11,93 -11,99 cw(c-10,99) -10,100 10,100 cw(c10,99) 11,99 11,93 cw(c10,93) 10,92 5,92 ccw(c5,91) 5,90 ; 34,90 ccw(c34,91) 34,92 27,92 cw(c27,93) 26,93 26,99 cw(c27,99) 27,100 47,100 cw(c47,92) 55,92 55,68.5 cw(c52.5,68.5) 52.5,66 48,66 ; 48,46.01 ccw(c48,45.01) 47,45.01 47,33 cw(c46,33) 45,33 45,79 cw(c46,79) 47,79 47,66.99 ccw(c48,66.99) 48,65.99
  lines w0.2: -34,90 -5,90 ; 5,90 34,90
Comments:
  rectangle: -15.75,46.5 15.75,81.5
  region: 31.78,112
  text ".Layer_Name" at 236.902,-46.311 h3.5
Fabrication:
  lines w0.25: -71.75,100 -51,100 ; -52,99 -51,100 ; -52,101 -51,100
  text "V-CUT" at -79.75,99 h1.52
  text "Red Solder Mask" at -59,-14.5 h1.5
  text "White Silkscreen" at -59,-17.5 h1.5
  text "1.6mm Thickness" at -59,-23.5 h1.5
  text ".Layer_Name" at 236.902,-46.311 h3.5
Top Placebound:
  region: 29.5,48.5 12.5,48.5 12.5,57.75 18.5,57.75 22.5,53.75 29.5,53.75
  text ".Layer_Name" at 236.902,-46.311 h3.5
Bottom Placebound:
  text ".Layer_Name" at 236.902,-46.311 h3.5
Stencil:
  region: 32,134.5 ccw(c32,137) 34.5,137 ccw(c32,137) 32,139.5 ccw(c32,137) 29.5,137 ccw(c32,137)
  region: -32,134.5 ccw(c-32,137) -29.5,137 ccw(c-32,137) -32,139.5 ccw(c-32,137) -34.5,137 ccw(c-32,137)
  lines w0.15: -65,-29.5 -65,156 65,156 65,-29.5 -65,-29.5
Frame:
  drawing of 15 lines, arcs and shapes, not listed
  text "Document" at 232.402,-31.311 h2
  text ".PCB_TITLE" at 233.902,-36.811 h3.2
  text "Layer Name" at 232.402,-41.311 h2
  text "Date" at 232.402,-51.311 h2
  text "Rev" at 272.402,-51.311 h2
  text ".Print_Date" at 235.402,-56.811 h3.5
  text ".PCB_REV" at 276.902,-56.811 h4
  text "Desginer" at 182.402,-61.311 h2
  text "Document" at 232.402,-61.311 h2
  text ".Pcb_File_Name_No_Path" at 233.902,-66.311 h1.5
  text ".PCB_ENGINEER" at 186.902,-66.811 h4
Top Assembly:
  text ".Layer_Name" at 236.902,-46.311 h3.5
Bottom Assembly:
  text ".Layer_Name" at 236.902,-46.311 h3.5
Drill Drawing:
  drawing of 188 lines, arcs and shapes, not listed
  text "Symbol" at 153.543,68 h0.96
  text "Count" at 160.342,68 h0.96
  text "Hole Size" at 168.373,68 h0.96
  text "Plated" at 184.002,68 h0.96
  text "Hole Type" at 190.8,68 h0.96
  text "Drill Layer Pair" at 200.637,68 h0.96
  text "Via/Pad" at 220.665,68 h0.96
  text "Pad Shape" at 228.583,68 h0.96
  text "Template" at 238.58,68 h0.96
  text "Hole Length" at 255.542,68 h0.96
  text "Routed Path Length" at 271.037,68 h0.96
  text "1" at 160.342,66 h0.8
  text "1,200mm (47,24mil)" at 168.373,66 h0.8
  text "PTH" at 184.002,66 h0.8
  text "Round" at 190.8,66 h0.8
  text "Top Layer - Bottom Layer" at 200.637,66 h0.8
  text "Pad" at 220.665,66 h0.8
  text "Rounded" at 228.583,66 h0.8
  text "c240h120" at 238.58,66 h0.8
  text "-" at 255.542,66 h0.8
  text "-" at 271.037,66 h0.8
  text "1" at 160.342,64 h0.8
  text "1,200mm (47,24mil)" at 168.373,64 h0.8
  text "PTH" at 184.002,64 h0.8
  text "Slot" at 190.8,64 h0.8
  text "Top Layer - Bottom Layer" at 200.637,64 h0.8
  text "Pad" at 220.665,64 h0.8
  text "Rounded" at 228.583,64 h0.8
  text "r480_240h120_360r100" at 238.58,64 h0.8
  text "3,600mm (141,73mil)" at 255.542,64 h0.8
  text "2,400mm (94,49mil)" at 271.037,64 h0.8
  text "2" at 160.342,62 h0.8
  text "0,500mm (19,69mil)" at 168.373,62 h0.8
  text "PTH" at 184.002,62 h0.8
  text "Slot" at 190.8,62 h0.8
  text "Top Layer - Bottom Layer" at 200.637,62 h0.8
  text "Pad" at 220.665,62 h0.8
  text "Rounded" at 228.583,62 h0.8
  text "r155_90h50_115r100" at 238.58,62 h0.8
  text "1,150mm (45,28mil)" at 255.542,62 h0.8
  text "0,650mm (25,59mil)" at 271.037,62 h0.8
  text "A" at 153.144,61.85 h0.89
  text "2" at 160.342,60 h0.8
  text "3,000mm (118,11mil)" at 168.373,60 h0.8
  text "NPTH" at 184.002,60 h0.8
  text "Round" at 190.8,60 h0.8
  text "Top Layer - Bottom Layer" at 200.637,60 h0.8
  text "Pad" at 220.665,60 h0.8
  text "Rounded" at 228.583,60 h0.8
  text "c0hn300m320" at 238.58,60 h0.8
  text "-" at 255.542,60 h0.8
  text "-" at 271.037,60 h0.8
  text "2" at 160.342,58 h0.8
  text "3,200mm (125,98mil)" at 168.373,58 h0.8
  text "NPTH" at 184.002,58 h0.8
  text "Round" at 190.8,58 h0.8
  text "Top Layer - Bottom Layer" at 200.637,58 h0.8
  text "Pad" at 220.665,58 h0.8
  text "Rounded" at 228.583,58 h0.8
  text "c320hn320m385" at 238.58,58 h0.8
  text "-" at 255.542,58 h0.8
  text "-" at 271.037,58 h0.8
  text "2" at 160.342,56 h0.8
  text "5,000mm (196,85mil)" at 168.373,56 h0.8
  text "NPTH" at 184.002,56 h0.8
  text "Round" at 190.8,56 h0.8
  text "Top Layer - Bottom Layer" at 200.637,56 h0.8
  text "Pad" at 220.665,56 h0.8
  text "Rounded" at 228.583,56 h0.8
  text "c500hn500m565" at 238.58,56 h0.8
  text "-" at 255.542,56 h0.8
  text "-" at 271.037,56 h0.8
  text "3" at 160.342,54 h0.8
  text "3,200mm (125,98mil)" at 168.373,54 h0.8
  text "PTH" at 184.002,54 h0.8
  text "Round" at 190.8,54 h0.8
  text "Top Layer - Bottom Layer" at 200.637,54 h0.8
  text "Pad" at 220.665,54 h0.8
  text "Rounded" at 228.583,54 h0.8
  text "c450h320" at 238.58,54 h0.8
  text "-" at 255.542,54 h0.8
  text "-" at 271.037,54 h0.8
  text "5" at 160.342,52 h0.8
  text "0,800mm (31,50mil)" at 168.373,52 h0.8
  text "PTH" at 184.002,52 h0.8
  text "Slot" at 190.8,52 h0.8
  text "Top Layer - Bottom Layer" at 200.637,52 h0.8
  text "Pad" at 220.665,52 h0.8
  text "Rounded" at 228.583,52 h0.8
  text "r230_160h80_150r100" at 238.58,52 h0.8
  text "1,500mm (59,06mil)" at 255.542,52 h0.8
  text "0,700mm (27,56mil)" at 271.037,52 h0.8
  text "5" at 160.342,50 h0.8
  text "1,200mm (47,24mil)" at 168.373,50 h0.8
  text "NPTH" at 184.002,50 h0.8
  text "Round" at 190.8,50 h0.8
  text "Top Layer - Bottom Layer" at 200.637,50 h0.8
  text "Pad" at 220.665,50 h0.8
  text "Rounded" at 228.583,50 h0.8
  text "c120hn120" at 238.58,50 h0.8
  text "-" at 255.542,50 h0.8
  text "-" at 271.037,50 h0.8
  text "5" at 160.342,48 h0.8
  text "4,000mm (157,48mil)" at 168.373,48 h0.8
  text "PTH" at 184.002,48 h0.8
  text "Round" at 190.8,48 h0.8
  text "Top Layer - Bottom Layer" at 200.637,48 h0.8
  text "Pad" at 220.665,48 h0.8
  text "Rounded" at 228.583,48 h0.8
  text "c500h400" at 238.58,48 h0.8
  text "-" at 255.542,48 h0.8
  text "-" at 271.037,48 h0.8
  text "6" at 160.342,46 h0.8
  text "0,600mm (23,62mil)" at 168.373,46 h0.8
  text "PTH" at 184.002,46 h0.8
  text "Slot" at 190.8,46 h0.8
  text "Top Layer - Bottom Layer" at 200.637,46 h0.8
  text "Pad" at 220.665,46 h0.8
  text "Rounded" at 228.583,46 h0.8
  text "r100_160h60_120r100" at 238.58,46 h0.8
  text "1,200mm (47,24mil)" at 255.542,46 h0.8
  text "0,600mm (23,62mil)" at 271.037,46 h0.8
  text "6" at 160.342,44 h0.8
  text "0,600mm (23,62mil)" at 168.373,44 h0.8
  text "PTH" at 184.002,44 h0.8
  text "Slot" at 190.8,44 h0.8
  text "Top Layer - Bottom Layer" at 200.637,44 h0.8
  text "Pad" at 220.665,44 h0.8
  text "Rounded" at 228.583,44 h0.8
  text "r100_210h60_170r100" at 238.58,44 h0.8
  text "1,700mm (66,93mil)" at 255.542,44 h0.8
  text "1,100mm (43,31mil)" at 271.037,44 h0.8
  text "6" at 160.342,42 h0.8
  text "0,650mm (25,59mil)" at 168.373,42 h0.8
  text "NPTH" at 184.002,42 h0.8
  text "Round" at 190.8,42 h0.8
  text "Top Layer - Bottom Layer" at 200.637,42 h0.8
  text "Pad" at 220.665,42 h0.8
  text "Rounded" at 228.583,42 h0.8
  text "c65hn65" at 238.58,42 h0.8
  text "-" at 255.542,42 h0.8
  text "-" at 271.037,42 h0.8
  text "8" at 160.342,40 h0.8
  text "0,900mm (35,43mil)" at 168.373,40 h0.8
  text "NPTH" at 184.002,40 h0.8
  text "Round" at 190.8,40 h0.8
  text "Top Layer - Bottom Layer" at 200.637,40 h0.8
  text "Pad" at 220.665,40 h0.8
  text "Rounded" at 228.583,40 h0.8
  text "c90hn90" at 238.58,40 h0.8
  text "-" at 255.542,40 h0.8
  text "-" at 271.037,40 h0.8
  text "25" at 160.342,38 h0.8
  text "0,900mm (35,43mil)" at 168.373,38 h0.8
  text "PTH" at 184.002,38 h0.8
  text "Round" at 190.8,38 h0.8
  text "Top Layer - Bottom Layer" at 200.637,38 h0.8
  text "Pad" at 220.665,38 h0.8
  text "(Mixed)" at 228.583,38 h0.8
  text "(Mixed)" at 238.58,38 h0.8
  text "-" at 255.542,38 h0.8
  text "-" at 271.037,38 h0.8
  text "44" at 160.342,36 h0.8
  text "0,500mm (19,69mil)" at 168.373,36 h0.8
  text "PTH" at 184.002,36 h0.8
  text "Round" at 190.8,36 h0.8
  text "Top Layer - Bottom Layer" at 200.637,36 h0.8
  text "Pad" at 220.665,36 h0.8
  text "Rounded" at 228.583,36 h0.8
  text "c50h50" at 238.58,36 h0.8
  text "-" at 255.542,36 h0.8
  text "-" at 271.037,36 h0.8
  text "B" at 153.144,35.85 h0.89
  text "306" at 160.342,34 h0.8
  text "0,300mm (11,81mil)" at 168.373,34 h0.8
  text "PTH" at 184.002,34 h0.8
  text "Round" at 190.8,34 h0.8
  text "Top Layer - Bottom Layer" at 200.637,34 h0.8
  text "Via" at 220.665,34 h0.8
  text "Rounded" at 228.583,34 h0.8
  text "v70h30m0mx60" at 238.58,34 h0.8
  text "-" at 255.542,34 h0.8
  text "-" at 271.037,34 h0.8
  text "429 Total" at 160.342,32 h0.8
  text "Slot definitions :" at 153.543,30.034 h0.8
  text "Routed Path Length" at 167.359,30.034 h0.8
  text "= Calculated from tool start centre position to tool end centre position." at 182.108,30.034 h0.8
  text "Hole Length" at 167.359,28.667 h0.8
  text "= Routed Path Length + Tool Size = Slot length as defined in the PCB layout" at 176.643,28.667 h0.8
  text ".Layer_Name" at 236.902,-46.311 h3.5
Panel:
  text ".Layer_Name" at 236.902,-46.311 h3.5

## Dimensions
45,110 to -47,100 on Fabrication
-55,26 to 55,26 on Fabrication
26,3 to -26,3 on Fabrication
-47,100 to -23,0 on Fabrication

## Text inside footprints (layer, text, board x,y; h text height)
BAT1: Bottom Assembly "+" at 35.75,37 h2 r180; Bottom Overlay "+" at 35.75,37 h2 r180
J1: Comments "PCB EDGE" at 42.5,64.25 h0.8 r270
J2: Comments "PCB Edge" at 20.8,90.5 h0.61 r180
J100: Comments "PCB Edge" at -55.75,75.8 h0.61 r270
J101: Comments "PCB Edge" at 55.75,70.7 h0.61 r90
J102: Comments "PCB EDGE" at 55.922,75.445 h0.5 r90
P7: Top Layer "GND" at 19.59,1.071 h2.3; Top Layer "VCC" at 9.43,1.071 h2.3; Top Layer "2" at -2,1.071 h2.3; Top Layer "1" at -13.43,1.071 h2.3; Top Layer "0" at -23.59,1.071 h2.3